# KiCad board TRS80IJP_1.kicad_pcb

Outline 406.92 x 184.78 mm; copper layers: Top, Bottom. Coordinates in mm from the lower left corner of the outline.
Outline path: 0,184.09 0.66,184.75 28.03,184.75 28.66,184.12 28.66,175.97 30.25,175.97 30.25,184.13 30.9,184.78 55.86,184.78 56.7,183.94 56.7,176.03 58.07,176.03 58.07,183.97 58.86,184.76 308.94,184.76 309.55,184.15 309.55,174.1 309.97,173.68 326.55,173.68 327.34,174.47 327.34,183.61 328.31,184.58 379.69,184.58 380.72,183.55 380.72,174.49 381.31,173.81 384.91,173.81 405.81,173.85 406.25,173.85 406.92,173.18 406.92,0.5 406.42,0 0.53,0 0,0.53 0,184.09
Stack: Top 0.035mm / dielectric 1.51mm FR4 er 4.5 / Bottom 0.035mm

## Placement (name value [footprint] x y rotation side)
C1  10uF 16V  [CP_Radial_D5.0mm_P2.50mm]  7.97 130.32 270 top
C2  100nF  [Ceramic Disc 5mm]  19.52 140.54 0 top
C3  10nF  [Ceramic Disc 5mm]  34.76 145.54 0 top
C4  10uF 16V  [CP_Radial_D5.0mm_P2.50mm]  35.97 140.58 0 top
C5  220uF 16V  [CP_Radial_P5.00mm]  56.15 149.16 90 top
C6  10uF  [CP_Radial_D5.0mm_P2.50mm]  67.68 137.89 180 top
C7  10nF  [Ceramic Disc 5mm]  77.95 137.82 180 top
C8  100nF  [Ceramic Disc 5mm]  84.31 132.76 180 top
C9  2200uF 35V  [CP_Axial_L42.5mm_D20.0mm_P49.00mm]  99.31 169.47 0 top
C10  10000uF 16V  [Electroytic Axial 69mm]  131.38 140.25 0 top
C11  1nF  [Ceramic Disc 2.5mm]  244.38 145.45 270 top
C12  10uF 16V  [CP_Radial_D5.0mm_P2.50mm]  248.08 159.43 0 top
C13  10nF  [Ceramic Disc 5mm]  254.46 134.1 180 top
C14  10uF 16V  [CP_Radial_D5.0mm_P2.50mm]  269.67 159.49 0 top
C15  10nF  [Ceramic Disc 5mm]  271.1 134.33 180 top
C16  1nF  [Ceramic Disc 2.5mm]  277.37 145.92 90 top
C17  220pF  [Ceramic Disc 5mm]  14.46 104.99 0 top
C18  220pF  [Ceramic Disc 5mm]  19.44 101.06 180 top
C19  100uF 16V  [CP_Radial_P5.00mm]  25.81 103.62 0 top
C20  100nF  [Ceramic Disc 5mm]  51.29 116.26 90 top
C22  100nF  [Ceramic Disc 5mm]  66.53 111.29 90 top
C23  100nF  [Ceramic Disc 5mm]  97 111.21 90 top
C24  100nF  [Ceramic Disc 5mm]  128.91 94.72 90 top
C25  100nF  [Ceramic Disc 5mm]  144.1 115.01 90 top
C26  100nF  [Ceramic Disc 5mm]  187.64 115.1 90 top
C27  100nF  [Ceramic Disc 5mm]  222.8 89.91 180 top
C28  100nF  [Ceramic Disc 5mm]  231.73 127.83 180 top
C29  100nF  [Ceramic Disc 5mm]  238.02 89.99 180 top
C30  100nF  [Ceramic Disc 5mm]  249.58 89.62 180 top
C31  100nF  [Ceramic Disc 5mm]  258.46 128.03 180 top
C32  100nF  [Ceramic Disc 5mm]  260.92 89.96 180 top
C33  100nF  [Ceramic Disc 5mm]  276.18 89.91 180 top
C34  100nF  [Ceramic Disc 5mm]  288.9 127.96 180 top
C35  100nF  [Ceramic Disc 5mm]  290.16 89.88 180 top
C36  100nF  [Ceramic Disc 5mm]  304.2 90.11 180 top
C37  100nF  [Ceramic Disc 5mm]  319.45 128.09 180 top
C38  100nF  [Ceramic Disc 5mm]  320.53 90.03 180 top
C39  100nF  [Ceramic Disc 5mm]  367.67 106.51 90 top
C40  10uF 16V  [CP_Radial_D5.0mm_P2.50mm]  390.54 115.08 0 top
C41  100nF  [Ceramic Disc 5mm]  41.11 79.58 0 top
C43  100pF  [Ceramic Disc 2.5mm]  48.95 129.01 0 top
C44  100nF  [Ceramic Disc 5mm]  82.06 75.77 90 top
C45  100nF  [Ceramic Disc 5mm]  112.21 88.42 90 top
C46  100nF  [Ceramic Disc 5mm]  132.6 72.07 90 top
C47  100nF  [Ceramic Disc 5mm]  366.98 88.39 90 top
C48  1nF  [Ceramic Disc 5mm]  4.11 78.24 0 top
C49  100nF  [Ceramic Disc 5mm]  11.92 54.1 180 top
C50  2.7nF  [Ceramic Disc 5mm]  15.73 54.13 0 top
C51  100nF  [Ceramic Disc 5mm]  36.07 45.29 90 top
C52  100nF  [Ceramic Disc 5mm]  66.54 57.94 90 top
C53  100nF  [Ceramic Disc 5mm]  113.53 55.41 90 top
C54  100nF  [Ceramic Disc 5mm]  182.12 49.04 90 top
C55  100nF  [Ceramic Disc 5mm]  238.06 59.18 90 top
C56  100nF  [Ceramic Disc 5mm]  266.04 63.37 90 top
C57  1nF  [Ceramic Disc 2.5mm]  281.34 50.86 270 top
C58  100nF  [Ceramic Disc 5mm]  366.95 63.04 90 top
C59  100nF  [Ceramic Disc 5mm]  13.06 41.38 180 top
C60  47pF  [Ceramic Disc 5mm]  20.67 27.34 270 top
C63  100nF  [Ceramic Disc 5mm]  40.66 8.41 90 top
C64  100nF  [Ceramic Disc 5mm]  96.97 30.1 90 top
C65  100nF  [Ceramic Disc 5mm]  112.34 19.89 90 top
C66  100nF  [Ceramic Disc 5mm]  128.89 32.51 90 top
C67  100nF  [Ceramic Disc 5mm]  203.7 8.3 180 top
C68  100nF  [Ceramic Disc 5mm]  265.88 19.73 90 top
C69  100nF  [Ceramic Disc 5mm]  284.46 42.56 0 top
C70  22uF 16V  [CP_Radial_D5.0mm_P2.50mm]  300.24 42.57 90 top
C71  100nF  [Ceramic Disc 5mm]  311.63 32.29 90 top
C72  100nF  [Ceramic Disc 5mm]  360.59 32.26 90 top
CN1  JP B KEYBOARD  [Keyboard JP]  379.02 9.33 0 top
CN2  US KEYBOARD  [Keyboard JP]  378.99 6.41 0 top
CR1  S2V B20  [Rectifier]  72.7 147.27 0 top
CR2  1N4735A  [Diode 2 15mm]  123.73 151.41 0 top
CR3  1N4733A  [Diode 3 10.16mm]  70.4 129.98 0 top
CR4  1N4001  [Diode 10.16mm]  19.54 126.23 0 top
CR5  1N4148  [Diode 10.16mm]  14.39 80.51 0 top
CR6  1N4148  [Diode 10.16mm]  14.39 77.99 0 top
CR7  1N4148  [Diode 10.16mm]  41.21 82.97 0 top
CR8  1N4148  [Diode 10.16mm]  41.22 80.38 0 top
E1  Expansion Interface  [TRS80IEdgeConnector]  379.05 173.92 180 top
FAN1  FAN  [Fan]  178.22 165.81 0 top
J1  POWER  [J1 - POWER]  71.81 175.85 0 top
J2  VIDEO OUT  [J2 - VIDEO OUT]  43.84 175.92 0 top
J3  CASS OUT  [J3 - CASSETTE]  15.72 175.94 0 top
JP1  JP1  [Wire Jumper]  195.99 37.28 180 top
JP2  JP1  [Wire Jumper]  195.99 33.41 180 top
JP3  JP1  [Wire Jumper]  195.96 25.85 180 top
JP4  JP8  [Double Wire Jumper]  63.86 8.12 180 top
JP5  JP8  [Double Wire Jumper]  74.2 42.53 0 top
JP6  JP8  [Double Wire Jumper]  89.42 98.47 0 top
JP7  JP8  [Double Wire Jumper#2]  58.93 42.51 0 top
JP8  JP8  [Double Wire Jumper]  49.76 8.12 180 top
JP9  JP9  [Wire Jumper]  39.84 162.04 180 top
JP10  JP8  [Double Wire Jumper]  66.35 126.5 0 top
K1  5V Relay  [K1 Relay]  20.2 153.31 0 top
NOREF  -  [unnamed]  174.07 131.03 0 top
NOREF#2  -  [unnamed#2]  144.37 73.32 0 top
NOREF#3  -  [unnamed#2]  303.54 9.1 0 top
NOREF#4  -  [unnamed#2]  174.16 9.58 0 top
NOREF#5  -  [unnamed#3]  295.29 165.95 0 top
NOREF#6  -  [unnamed#2]  239.71 73.22 0 top
NOREF#7  -  [unnamed#2]  303.58 131.06 0 top
NOREF#8  -  [unnamed#4]  318.08 5.18 0 top
NOREF#9  -  [unnamed#2]  335.07 73.22 0 top
NOREF#10  -  [unnamed#2]  391.79 70.15 0 top
NOREF#11  -  [unnamed#2]  14.95 70.5 0 top
Q1  2SC1815  [TO-92_Transistor]  34.67 157.03 0 top
Q2  2SA1015  [TO-92_Transistor]  34.74 123.94 0 top
Q3  2SC1499  [Q3]  161.69 176 0 top
Q4  B531  [Q4 TO-3]  217.46 157.31 270 top
Q5  2SA1015  [TO-92_Transistor]  257.52 159.49 0 top
Q6  B595  [Q6]  295.33 152.03 0 top
R1  100R  [Resistor 10.16mm]  14.31 144.3 0 top
R2  1K2  [Resistor 10.16mm]  14.4 136.77 0 top
R3  7K5  [Resistor 10.16mm]  24.55 134.16 180 top
R4  7K5  [Resistor 10.16mm]  24.57 131.56 180 top
R5  220K  [Resistor 10.16mm]  14.37 126.61 0 top
R6  75R  [Resistor 10.16mm]  34.72 151.89 0 top
R7  47R  [Resistor 10.16mm]  34.72 149.41 0 top
R8  330R  [Resistor 10.16mm]  45.02 136.71 180 top
R9  120R  [Resistor 10.16mm]  34.87 134.16 0 top
R10  270R  [Resistor 10.16mm]  34.87 131.63 0 top
R11  10K  [Resistor 10.16mm]  34.86 129.07 0 top
R12  220R 1/2W  [Resistor 15mm]  71.83 143.98 180 top
R13  68 1/2W  [Resistor 15mm]  161.92 169.42 180 top
R14  2K7  [Resistor 10.16mm]  156.67 165.78 0 top
R15  750R  [Resistor 10.16mm]  156.7 163.21 0 top
R16  0R33 2W  [Resistor 23mm]  161.29 156.89 180 top
R17  1K  [Pot#2]  252.01 174.66 0 top
R18  1K2  [Resistor 10.16mm]  246.84 173.33 0 top
R19  1K2  [Resistor 10.16mm]  246.87 170.83 0 top
R20  100K  [Resistor 10.16mm]  246.92 168.29 0 top
R21  3K3  [Resistor 10.16mm]  257.09 165.76 180 top
R22  1K5  [Resistor 10.16mm]  260.25 151.89 270 top
R23  1K  [Pot]  268.73 174.78 0 top
R24  3K3  [Resistor 10.16mm]  263.3 173.43 0 top
R25  3K3  [Resistor 10.16mm]  263.29 170.93 0 top
R26  2K2  [Resistor 10.16mm]  263.28 168.44 0 top
R27  12K  [Resistor 10.16mm]  273.47 165.87 180 top
R28  1K2  [Resistor 10.16mm]  290.09 143.03 0 top
R29  2K  [Resistor 10.16mm]  300.25 140.48 180 top
R30  5R6 3W  [Resistor 30mm]  318.03 152.62 270 top
R31  10K  [Resistor 10.16mm]  390.84 124.3 90 top
R32  100R  [Resistor 10.16mm]  394.61 134.47 270 top
R33  1M  [Resistor 10.16mm]  9.3 118.94 0 top
R34  10K  [Resistor 10.16mm]  19.47 116.44 180 top
R35  680K  [Resistor 10.16mm]  19.48 113.86 180 top
R36  1.8M  [Resistor 10.16mm]  9.3 111.35 0 top
R37  220R 1/2W  [Resistor 15mm]  9.22 143.11 270 top
R38  360K  [Resistor 10.16mm]  19.47 108.75 180 top
R39  10R  [Resistor 10.16mm]  33.44 96.09 180 top
R40  4K7  [Resistor 10.16mm]  36.04 108.76 90 top
R41  4K7  [Resistor 10.16mm]  390.32 97.26 90 top
R42  360K  [Resistor 10.16mm]  9.28 96.09 0 top
R43  560K  [Resistor 10.16mm]  19.42 91.04 180 top
R44  470K  [Resistor 10.16mm]  9.27 88.5 0 top
R45  470K  [Resistor 10.16mm]  19.43 85.95 180 top
R46  470K  [Resistor 10.16mm]  36.08 88.42 0 top
R47  470K  [Resistor 10.16mm]  36.09 75.71 0 top
R48  4K7  [Resistor 10.16mm]  127.61 74.41 180 top
R49  10K  [Resistor 10.16mm]  297.8 76.91 0 top
R50  470K  [Resistor 10.16mm]  18.17 60.59 180 top
R51  1M  [Resistor 10.16mm]  18.19 57.99 180 top
R52  8K2  [Resistor 10.16mm]  18.16 50.29 180 top
R53  8K2  [Resistor 10.16mm]  18.16 47.77 180 top
R54  4K7  [Resistor 10.16mm]  296.5 65.58 270 top
R55  4K7  [Resistor 10.16mm]  314.19 65.43 270 top
R56  910R  [Resistor 10.16mm]  16.7 13.3 180 top
R57  910R  [Resistor 10.16mm]  16.59 10.67 180 top
R64  4K7  [Resistor 10.16mm]  54.97 13.34 180 top
R65  4K7  [Resistor 10.16mm]  58.77 13.33 0 top
R66  4K7  [Resistor 10.16mm]  81.77 34.95 270 top
R67  4K7  [Resistor 10.16mm]  94.45 40.1 180 top
R68  4K7  [Resistor 10.16mm]  143.98 34.99 270 top
R69  4K7  [Resistor 10.16mm]  174.47 37.56 270 top
R70  4K7  [Resistor 10.16mm]  191.09 29.95 0 top
R71  4K7  [Resistor 10.16mm]  194.87 12.32 180 top
R72  4K7  [Resistor 10.16mm]  194.74 8.22 180 top
R74  4K7  [Resistor 10.16mm]  250.71 37.52 270 top
R75  330R  [Resistor 10.16mm]  292.82 14.9 180 top
R76  4K7  [Resistor 10.16mm]  296.42 37.42 270 top
R77  4K7  [Resistor 10.16mm]  315.55 38.66 270 top
R101  330R  [Resistor 10.16mm]  202.42 117.45 0 top
R102  330R  [Resistor 10.16mm]  202.46 114.97 0 top
R103  330R  [Resistor 10.16mm]  202.46 112.5 0 top
R104  330R  [Resistor 10.16mm]  202.51 110.05 0 top
R105  330R  [Resistor 10.16mm]  202.52 107.45 0 top
R106  330R  [Resistor 10.16mm]  202.54 104.85 0 top
R107  330R  [Resistor 10.16mm]  202.62 102.4 0 top
R108  330R  [Resistor 10.16mm]  202.62 99.82 0 top
R109  330R  [Resistor 10.16mm]  281.32 55.66 90 top
R110  330R  [Resistor 10.16mm]  295.28 83.28 0 top
RP1  4K7  [R_Array_SIP9]  353.94 148.32 270 top
RP2  4K7  [R_Array_SIP9]  360.01 125.39 270 top
S1  4PDT  [Switch]  90.27 153.39 0 top
S2  RESET  [S2]  393.12 147.67 0 top
Y1  10.6445MHz  [Crystal]  20.48 9.44 90 top
Z1  LM723_DIP14  [DIP-14_W7.62mm]  247.98 153.23 0 top
Z2  LM723_DIP14  [DIP-14_W7.62mm]  264.65 153.25 0 top
Z3  75452  [DIP-8_W7.62mm]  24.48 118.91 0 top
Z4  74LS175  [DIP-16_W7.62mm]  39.87 118.91 0 top
Z5  74LS10  [DIP-14_W7.62mm]  55.15 118.91 0 top
Z6  74LS92  [DIP-14_W7.62mm]  70.32 118.91 0 top
Z7  74LS93  [DIP-14_W7.62mm]  85.43 118.91 0 top
Z8  74LS157  [DIP-16_W7.62mm]  100.83 118.91 0 top
Z9  2114  [DIP-18_W7.62mm]  117.39 117.63 0 top
Z10  2114  [DIP-18_W7.62mm]  132.55 117.63 0 top
Z11  74LS174  [DIP-16_W7.62mm]  147.69 117.63 0 top
Z12  74LS245  [DIP-20_W7.62mm]  163.02 117.63 0 top
Z13  74LS157  [DIP-16_W7.62mm]  177.07 117.63 0 top
Z14  74LS157  [DIP-16_W7.62mm]  191.08 117.63 0 top
Z15  4116  [DIP-16_W7.62mm]  216.59 117.63 0 top
Z16  4116  [DIP-16_W7.62mm]  231.67 117.63 0 top
Z17  4116  [DIP-16_W7.62mm]  243.1 117.63 0 top
Z18  4116  [DIP-16_W7.62mm]  254.5 117.63 0 top
Z19  4116  [DIP-16_W7.62mm]  269.78 117.63 0 top
Z20  4116  [DIP-16_W7.62mm]  283.82 117.63 0 top
Z21  4116  [DIP-16_W7.62mm]  297.68 117.64 0 top
Z22  4116  [DIP-16_W7.62mm]  313.02 117.63 0 top
Z23  74LS245  [DIP-20_W7.62mm]  330.49 122.78 0 top
Z24  74LS367  [DIP-16_W7.62mm]  345.96 122.71 0 top
Z25  LM3900N  [DIP-14_W7.62mm]  24.49 90.95 0 top
Z26  74LS14  [DIP-14_W7.62mm]  55.05 90.95 0 top
Z27  74LS157  [DIP-16_W7.62mm]  70.38 90.86 0 top
Z28  74LS93  [DIP-14_W7.62mm]  85.53 90.95 0 top
Z29  74LS157  [DIP-16_W7.62mm]  100.86 90.95 0 top
Z30  74LS367  [DIP-16_W7.62mm]  346.06 93.41 0 top
Z31  74LS132  [DIP-14_W7.62mm]  24.58 63.03 0 top
Z32  74LS00  [DIP-14_W7.62mm]  39.91 63.03 0 top
Z33  74LS04  [DIP-14_W7.62mm]  55.12 62.96 0 top
Z34  74LS93  [DIP-14_W7.62mm]  70.45 63.03 0 top
Z35  74LS93  [DIP-14_W7.62mm]  85.68 63.03 0 top
Z36  74LS157  [DIP-16_W7.62mm]  100.72 63.03 0 top
Z37  MCM667X  [DIP-18_W7.62mm]  117.42 65.48 0 top
Z38  MCM667X  [DIP-18_W7.62mm]  132.72 65.48 0 top
Z39  74LS153  [DIP-16_W7.62mm]  147.83 63.03 0 top
Z40  74LS32  [DIP-14_W7.62mm]  163.06 65.48 0 top
Z41  74LS30  [DIP-14_W7.62mm]  178.22 78.08 0 top
Z42  2364  [DIP-24_W15.24mm]  193.65 78.15 0 top
Z43  2332  [DIP-24_W15.24mm]  213.83 78.15 0 top
Z44  74LS00  [DIP-14_W7.62mm]  254.59 65.56 0 top
Z45  74LS02  [DIP-14_W7.62mm]  269.8 65.54 0 top
Z46  74LS04  [DIP-14_W7.62mm]  284.95 65.57 0 top
Z47  74LS132  [DIP-14_W7.62mm]  300.24 65.57 0 top
Z48  Z80CPU  [DIP-40_W15.24mm]  319.27 64.24 0 top
Z49  74LS244  [DIP-20_W7.62mm]  345.94 68.02 0 top
Z50  74LS04  [DIP-14_W7.62mm]  9.25 35.05 0 top
Z51  74LS08  [DIP-14_W7.62mm]  24.53 35.05 0 top
Z52  74LS08  [DIP-14_W7.62mm]  55.02 35.05 0 top
Z53  74LS74  [DIP-14_W7.62mm]  70.36 35.05 0 top
Z54  74LS02  [DIP-14_W7.62mm]  85.58 35.05 0 top
Z55  74LS20  [DIP-14_W7.62mm]  100.68 35.05 0 top
Z56  74LS175  [DIP-16_W7.62mm]  117.38 35.05 0 top
Z57  74LS166  [DIP-16_W7.62mm]  132.71 35.05 0 top
Z58  74LS166  [DIP-16_W7.62mm]  147.73 35.05 0 top
Z59  74LS367  [DIP-16_W7.62mm]  163.26 37.58 0 top
Z60  74LS11  [DIP-14_W7.62mm]  178.25 37.58 0 top
Z61  74LS139  [DIP-16_W7.62mm]  208.79 37.53 0 top
Z62  74LS74  [DIP-14_W7.62mm]  223.88 37.53 0 top
Z63  74LS74  [DIP-14_W7.62mm]  239.3 37.53 0 top
Z64  74LS32  [DIP-14_W7.62mm]  254.44 37.56 0 top
Z65  74LS92  [DIP-14_W7.62mm]  269.78 37.39 0 top
Z66  74LS367  [DIP-16_W7.62mm]  285.1 37.53 0 top
Z67  74LS32  [DIP-14_W7.62mm]  300.28 37.53 0 top
Z68  74LS244  [DIP-20_W7.62mm]  345.99 37.39 0 top

## Library data of the parts
C1 C4 C5 C9 C10 C12 C14 C19 C40 C70 = -: Description: Polarized capacitor
C2 C3 C6-C8 C11 C13 C15-C18 C20 C22-C39 C41 C43-C60 C63-C69 C71 C72 = -: Description: Unpolarized capacitor
CN1 CN2 = -: Description: Generic connector, single row, 01x19, script generated (kicad-library-utils/schlib/autogen/connector/)
CR1 = -: Description: Single-Phase Bridge Rectifier, 125V Vrms, 8.0A If, KBPC6 package
CR2 CR3 = -: Description: Zener diode
CR4 = -: Description: 50V 1A General Purpose Rectifier Diode, DO-41
CR5-CR8 = -: Description: Diode
E1 = -: Description: Generic connector, double row, 02x20, odd/even pin numbering scheme (row 1 odd numbers, row 2 even numbers), script generated (kicad-library-utils/schlib/autogen/connector/)
FAN1 JP4-JP8 JP10 = -: Description: Generic connector, single row, 01x04, script generated (kicad-library-utils/schlib/autogen/connector/)
J1-J3 = -: Description: 5-pin DIN connector (5-pin DIN-5 stereo)
JP1-JP3 JP9 = -: Description: Generic connector, single row, 01x02, script generated (kicad-library-utils/schlib/autogen/connector/)
K1 = -: Description: Sanyo SRD relay, Single Pole Miniature Power Relay,
Q1 Q3 = -: Description: 0.15A Ic, 50V Vce, Low Noise Audio NPN Transistor, TO-92
Q2 Q5 = -: Description: -0.15A Ic, -50V Vce, Low Noise Audio PNP Transistor, TO-92
Q4 Q6 = -: Description: -15A Ic, -60V Vce, Power PNP Transistor, TO-3
R1-R16 R18-R22 R24-R57 R64-R72 R74-R77 R101-R110 = -: Description: Resistor
R17 R23 = -: Description: Trim-potentiometer
RP1 RP2 = -: Description: 8 resistor network, star topology, bussed resistors, small symbol
S1 = -: Description: 4x DIP Switch, Single Pole Single Throw (SPST) switch, small symbol
S2 = -: Description: Single Pole Single Throw (SPST) switch
Y1 = -: Description: Two pin crystal
Z1 Z2 = -: Description: Linear Regulator (adjustable), DIP-14
Z3 = -: Description: Generic connector, double row, 02x04, counter clockwise pin numbering scheme (similar to DIP package numbering), script generated (kicad-library-utils/schlib/autogen/connector/)
Z4 Z56 = -: Description: 4-bit D Flip-Flop, reset
Z5 = -: Description: Triple 3-input NAND
Z6 Z65 = -: Description: Divide by 12 counter
Z7 Z28 Z34 Z35 = -: Description: Divide by 2 & 8 counter
Z8 Z13 Z14 Z27 Z29 Z36 = -: Description: Quad 2 to 1 line Multiplexer
Z9 Z10 Z37 Z38 = -: Description: Generic connector, double row, 02x09, counter clockwise pin numbering scheme (similar to DIP package numbering), script generated (kicad-library-utils/schlib/autogen/connector/)
Z11 = -: Description: Hex D-type Flip-Flop, reset
Z12 Z23 = -: Description: Octal BUS Transceivers, 3-State outputs
Z15-Z22 = -: Description: Generic connector, double row, 02x08, counter clockwise pin numbering scheme (similar to DIP package numbering), script generated (kicad-library-utils/schlib/autogen/connector/)
Z24 Z30 Z59 Z66 = -: Description: Hex Bus Driver 3-state outputs
Z26 = -: Description: Hex inverter schmitt trigger
Z31 Z47 = -: Description: Quad 2-input NAND Schmitt trigger
Z32 Z44 = -: Description: quad 2-input NAND gate
Z33 Z46 Z50 = -: Description: Hex Inverter
Z39 = -: Description: Dual Multiplexer 4 to 1
Z40 Z64 Z67 = -: Description: Quad 2-input OR
Z41 = -: Description: 8-input NAND
Z42 Z43 = -: Description: Generic connector, double row, 02x12, counter clockwise pin numbering scheme (similar to DIP package numbering), script generated (kicad-library-utils/schlib/autogen/connector/)
Z45 Z54 = -: Description: quad 2-input NOR gate
Z48 = -: Description: 8-bit General Purpose Microprocessor, DIP-40
Z49 Z68 = -: Description: Octal Buffer and Line Driver With 3-State Output, active-low enables, non-inverting outputs
Z51 Z52 = -: Description: Quad And2
Z53 Z62 Z63 = -: Description: Dual D Flip-flop, Set & Reset
Z55 = -: Description: Dual 4-input NAND
Z57 Z58 = -: Description: Shift Register 8-bit, parallel load
Z60 = -: Description: Triple 3-input AND
Z61 = -: Description: Dual Decoder 1 of 4, Active low outputs

## Footprints (pads in the part's own frame, mm; a bottom-side part is the same pattern mirrored in y, then rotated)
Ceramic Disc 2.5mm
  round 1.6 hole 0.8: 1(-0.17,0) 2(2.68,0.01)
Ceramic Disc 5mm
  round 1.6 hole 0.8: 1(0,0) 2(5,0)
CP_Axial_L42.5mm_D20.0mm_P49.00mm
  rect 2.8x2.8 hole 1.4: 1(0,0)
  oval 2.8x2.8 hole 1.4: 2(49,0)
CP_Radial_D5.0mm_P2.50mm
  rect 1.6x1.6 hole 0.8: 1(0,0)
  round 1.6 hole 0.8: 2(2.5,0)
CP_Radial_P5.00mm
  rect 1.6x1.6 hole 0.8: 1(0,0)
  round 1.6 hole 0.8: 2(5,0)
Crystal
  round 1.5 hole 0.8: 1(4.9,0) 2(0,0)
Diode 2 15mm
  round 1.6 hole 0.8: 1(-5.13,2.87)
  oval 1.6x1.6 hole 0.8: 2(10.07,2.87)
Diode 3 10.16mm
  round 1.6 hole 0.8: 1(-5.13,2.87)
  oval 1.6x1.6 hole 0.8: 2(5.03,2.87)
Diode 10.16mm
  round 1.6 hole 0.8: 1(-5.13,2.87)
  oval 1.6x1.6 hole 0.8: 2(5.03,2.87)
DIP-8_W7.62mm
  rect 1.6x1.6 hole 0.8: 1(0,0)
  oval 1.6x1.6 hole 0.8: 2(0,-2.54) 3(0,-5.08) 4(0,-7.62) 5(7.62,-7.62) 6(7.62,-5.08) 7(7.62,-2.54) 8(7.62,0)
DIP-14_W7.62mm
  rect 1.6x1.6 hole 0.8: 1(0,0)
  oval 1.6x1.6 hole 0.8: 2(0,-2.54) 3(0,-5.08) 4(0,-7.62) 5(0,-10.16) 6(0,-12.7) 7(0,-15.24) 8(7.62,-15.24) 9(7.62,-12.7) 10(7.62,-10.16) 11(7.62,-7.62) 12(7.62,-5.08) 13(7.62,-2.54) 14(7.62,0)
DIP-16_W7.62mm
  rect 1.6x1.6 hole 0.8: 1(0,0)
  oval 1.6x1.6 hole 0.8: 2(0,-2.54) 3(0,-5.08) 4(0,-7.62) 5(0,-10.16) 6(0,-12.7) 7(0,-15.24) 8(0,-17.78) 9(7.62,-17.78) 10(7.62,-15.24) 11(7.62,-12.7) 12(7.62,-10.16) 13(7.62,-7.62) 14(7.62,-5.08) 15(7.62,-2.54) 16(7.62,0)
DIP-18_W7.62mm
  rect 1.6x1.6 hole 0.8: 1(0,0)
  oval 1.6x1.6 hole 0.8: 2(0,-2.54) 3(0,-5.08) 4(0,-7.62) 5(0,-10.16) 6(0,-12.7) 7(0,-15.24) 8(0,-17.78) 9(0,-20.32) 10(7.62,-20.32) 11(7.62,-17.78) 12(7.62,-15.24) 13(7.62,-12.7) 14(7.62,-10.16) 15(7.62,-7.62) 16(7.62,-5.08) 17(7.62,-2.54) 18(7.62,0)
DIP-20_W7.62mm
  rect 1.6x1.6 hole 0.8: 1(0,0)
  oval 1.6x1.6 hole 0.8: 2(0,-2.54) 3(0,-5.08) 4(0,-7.62) 5(0,-10.16) 6(0,-12.7) 7(0,-15.24) 8(0,-17.78) 9(0,-20.32) 10(0,-22.86) 11(7.62,-22.86) 12(7.62,-20.32) 13(7.62,-17.78) 14(7.62,-15.24) 15(7.62,-12.7) 16(7.62,-10.16) 17(7.62,-7.62) 18(7.62,-5.08) 19(7.62,-2.54) 20(7.62,0)
DIP-24_W15.24mm
  rect 1.6x1.6 hole 0.8: 1(0,0)
  oval 1.6x1.6 hole 0.8: 2(0,-2.54) 3(0,-5.08) 4(0,-7.62) 5(0,-10.16) 6(0,-12.7) 7(0,-15.24) 8(0,-17.78) 9(0,-20.32) 10(0,-22.86) 11(0,-25.4) 12(0,-27.94) 13(15.24,-27.94) 14(15.24,-25.4) 15(15.24,-22.86) 16(15.24,-20.32) 17(15.24,-17.78) 18(15.24,-15.24) 19(15.24,-12.7) 20(15.24,-10.16) 21(15.24,-7.62) 22(15.24,-5.08) 23(15.24,-2.54) 24(15.24,0)
DIP-40_W15.24mm
  rect 1.6x1.6 hole 0.8: 1(0,0)
  oval 1.6x1.6 hole 0.8: 2(0,-2.54) 3(0,-5.08) 4(0,-7.62) 5(0,-10.16) 6(0,-12.7) 7(0,-15.24) 8(0,-17.78) 9(0,-20.32) 10(0,-22.86) 11(0,-25.4) 12(0,-27.94) 13(0,-30.48) 14(0,-33.02) 15(0,-35.56) 16(0,-38.1) 17(0,-40.64) 18(0,-43.18) 19(0,-45.72) 20(0,-48.26) 21(15.24,-48.26) 22(15.24,-45.72) 23(15.24,-43.18) 24(15.24,-40.64) 25(15.24,-38.1) 26(15.24,-35.56) 27(15.24,-33.02) 28(15.24,-30.48) 29(15.24,-27.94) 30(15.24,-25.4) 31(15.24,-22.86) 32(15.24,-20.32) 33(15.24,-17.78) 34(15.24,-15.24) 35(15.24,-12.7) 36(15.24,-10.16) 37(15.24,-7.62) 38(15.24,-5.08) 39(15.24,-2.54) 40(15.24,0)
Double Wire Jumper
  oval 1.6x1.6 hole 0.8: 1(5,-2.56) 4(5,-0.02)
  round 1.6 hole 0.8: 2(-5.16,-2.56) 3(-5.16,-0.02)
Double Wire Jumper#2
  oval 1.6x1.6 hole 0.8: 1(5,-0.02) 4(5,-2.56)
  round 1.6 hole 0.8: 2(-5.16,-2.56) 3(-5.16,-0.02)
Electroytic Axial 69mm
  rect 2.4x2.4 hole 1.2: 1(-31.855,-1.145)
  oval 2.4x2.4 hole 1.2: 2(37.145,-1.025)
Fan
  round 1.7 hole 1: 1(0,0)
  oval 1.7x1.7 hole 1: 2(0,-2.54) 3(0,-5.08) 4(0,-7.62)
J1 - POWER
  round 1.95 hole 1.3: 1(-7.76,-4) 2(-0.26,-4) 3(7.24,-4) 4(-5.26,-6.5) 5(4.74,-6.5)
  round 3.5 hole 2: 4(-4.91,5.97) 4(0.09,5.97) 4(4.9,5.96)
J2 - VIDEO OUT
  round 1.95 hole 1.3: 1(-7.76,-4) 2(-0.26,-4) 3(7.24,-4) 4(-5.26,-6.5) 5(4.74,-6.5)
  round 3.5 hole 2: 5(-4.91,5.97) 5(0.09,5.97) 5(4.9,5.96)
J3 - CASSETTE
  round 1.95 hole 1.3: 1(-7.76,-4) 2(-0.26,-4) 3(7.24,-4) 4(-5.26,-6.5) 5(4.74,-6.5)
  round 3.5 hole 2: 2(-4.91,5.97) 2(0.09,5.97) 2(4.9,5.96)
K1 Relay
  round 2 hole 1: 1(3.72,-4.01) 2(3.57,6.22) 3(-4.02,6.21) 4(-4.01,8.69) 5(3.54,8.68)
Keyboard JP
  oval 1.7x1.7 hole 1: 1(22.88,-5.13) 2(20.38,-5.13) 3(17.88,-5.13) 4(15.37,-5.135) 5(12.87,-5.135) 6(10.37,-5.135) 7(7.87,-5.135) 8(5.37,-5.14) 9(2.87,-5.14) 10(0.37,-5.14) 11(-2.13,-5.14) 12(-4.63,-5.135) 13(-7.13,-5.135) 14(-9.63,-5.135) 15(-12.13,-5.135) 16(-14.63,-5.14) 17(-17.13,-5.14) 18(-19.63,-5.14) 19(-22.13,-5.14)
Pot
  round 1.44 hole 0.8: 1(-2.63,5.1) 2(-0.09,2.56) 3(2.45,5.1)
Pot#2
  round 1.44 hole 0.8: 1(2.45,5.1) 2(-0.09,2.56) 3(-2.63,5.1)
Q3
  round 1.5 hole 0.8: 1(2.5,-1.35) 2(-0.04,-1.35) 3(-2.58,-1.35)
Q4 TO-3
  round 4 hole 4 unplated: (16.9,-5.45)
  round 2.6 hole 1.3: 1(0,0) 2(0,-10.92)
  round 6.35 hole 4: 3(-13.3,-5.45)
Q6
  rect 2x1.905 hole 1.1: 1(-2.54,-3.81)
  round 2 hole 1.1: 2(2.54,-3.81) 3(0,-5.08)
R_Array_SIP9
  rect 1.6x1.6 hole 0.8: 1(0,0)
  oval 1.6x1.6 hole 0.8: 2(2.54,0) 3(5.08,0) 4(7.62,0) 5(10.16,0) 6(12.7,0) 7(15.24,0) 8(17.78,0) 9(20.32,0)
Rectifier
  round 2.6 hole 1.3: 1(-3.65,12.16) 2(3.97,12.16) 3(3.97,4.64) 4(-3.68,4.64)
Resistor 10.16mm
  round 1.6 hole 0.8: 1(0,0)
  oval 1.6x1.6 hole 0.8: 2(10.16,0)
Resistor 15mm
  round 1.6 hole 0.8: 1(-7.34,-0.02)
  oval 1.6x1.6 hole 0.8: 2(7.66,-0.04)
Resistor 23mm
  round 1.6 hole 0.8: 1(-11.895,0.015)
  oval 1.6x1.6 hole 0.8: 2(11.105,0.015)
Resistor 30mm
  round 1.6 hole 0.8: 1(-15.027,-0.055)
  oval 1.6x1.6 hole 0.8: 2(14.973,-0.055)
S2
  round 2.6 hole 1.3: 1(-3.06,9.1) 1(-3.06,5.29) 1(3.05,9.1) 1(3.05,5.29) 1(3.05,1.48) 2(-3.06,1.48)
Switch
  round 2.6 hole 1.3: 1(-3.06,9.1) 1(-3.06,5.29) 2(-3.07,-6.14) 2(-3.06,-2.33) 2(3.04,-6.14) 2(3.05,-2.33) 4(3.05,9.1) 4(3.05,5.29) 5(3.05,1.48) 6(-3.07,-9.95) 7(3.04,-9.95) 8(-3.06,1.48)
TO-92_Transistor
  rect 1.5x1.5 hole 0.8: 1(0,0)
  round 1.5 hole 0.8: 2(2.54,0) 3(5.08,0)
TRS80IEdgeConnector
  rect 1.626x9.906 smd far side: 1(49.124,-4.928) 3(46.584,-4.928) 5(44.044,-4.928) 7(41.504,-4.928) 9(38.964,-4.928) 11(36.424,-4.928) 13(33.884,-4.928) 15(31.344,-4.928) 17(28.804,-4.928) 19(26.264,-4.928) 21(23.724,-4.928) 23(21.184,-4.928) 25(18.644,-4.928) 27(16.104,-4.928) 29(13.564,-4.928) 31(11.024,-4.928) 33(8.484,-4.928) 35(5.944,-4.928)
  rect 1.626x9.906 smd: 2(49.124,-4.928) 4(46.584,-4.928) 6(44.044,-4.928) 8(41.504,-4.928) 10(38.964,-4.928) 12(36.424,-4.928) 14(33.884,-4.928) 16(31.344,-4.928) 18(28.804,-4.928) 20(26.264,-4.928) 22(23.724,-4.928) 24(21.184,-4.928) 26(18.644,-4.928) 28(16.104,-4.928) 30(13.564,-4.928) 32(11.024,-4.928) 34(8.484,-4.928) 36(5.944,-4.928) 38(3.404,-4.928) 40(0.826,-4.928)
  rect 4.216x9.906 smd far side: 37(2.108,-4.928)
unnamed
  round 14.5 hole 8.7: 0(0,0)
unnamed#3
  round 7 hole 4: 0(0,0)
unnamed#4
  oval 6.75x5 hole 4.25x3.25: 0(0,0)
unnamed#2
  round 8.7 hole 8.7 unplated: (0,0)
Wire Jumper
  round 1.6 hole 0.8: 1(-5.16,-0.02)
  oval 1.6x1.6 hole 0.8: 2(5,-0.02)
